# KiCad board DIP8breakout+potToUSB.kicad_pcb (continued)
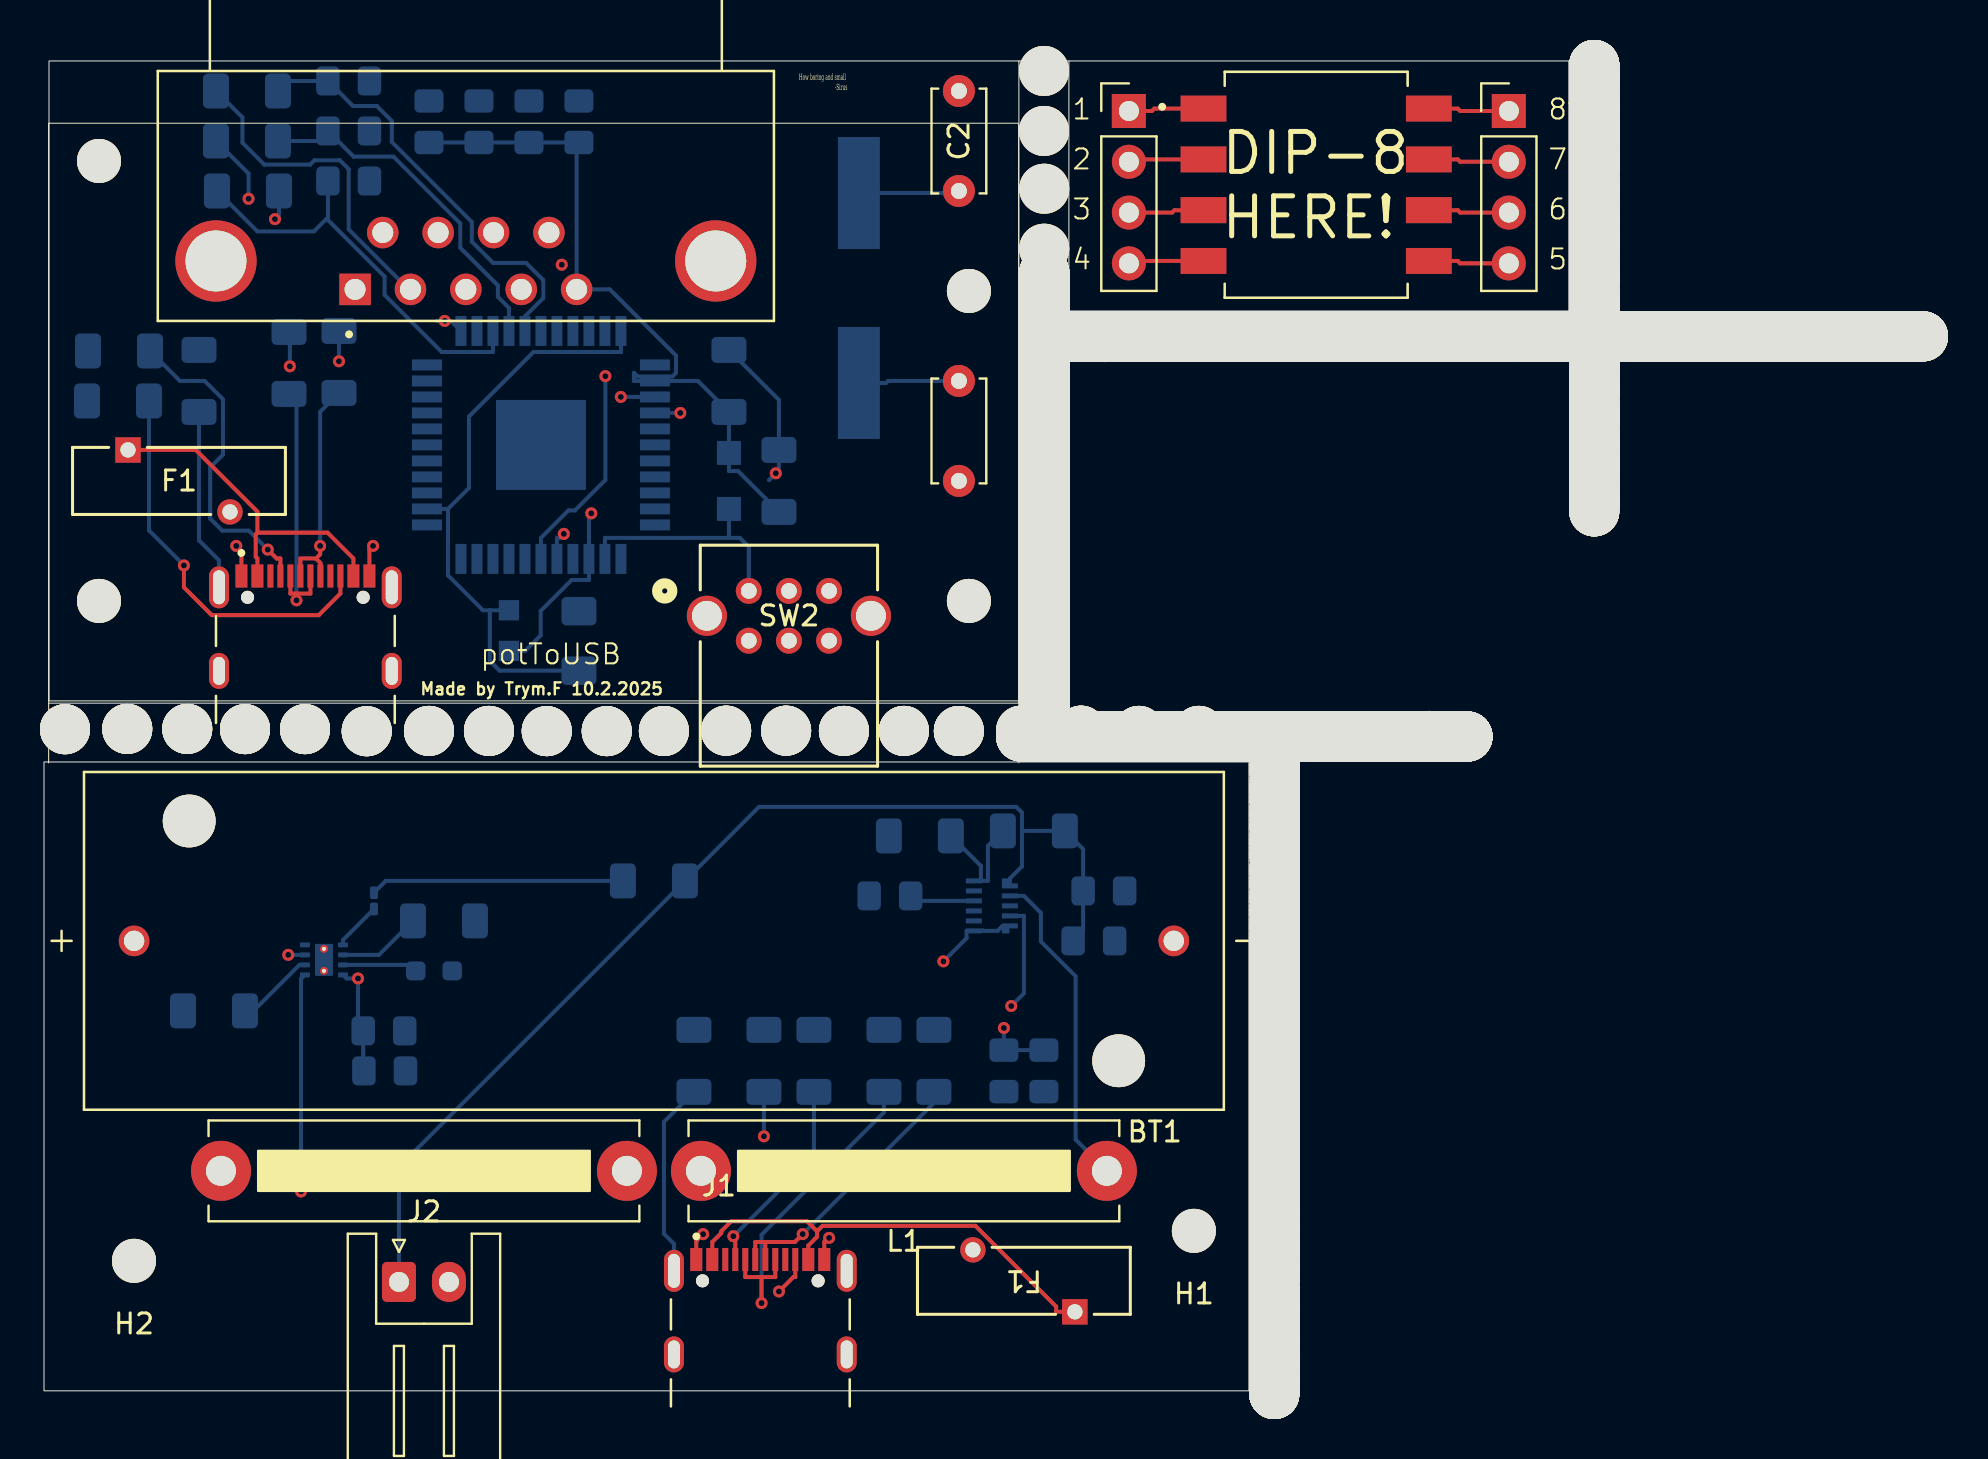
[diagram p0: board, top side]
## Placement (name value [footprint] x y rotation side) (continued)
NOREF#7692  -  [unnamed]  61.52 2.3 0 bottom
NOREF#7693  -  [unnamed]  50.02 36.55 180 bottom
NOREF#7694  -  [unnamed]  61.55 15.45 180 bottom
NOREF#7695  -  [unnamed]  87.26 52.73 270 bottom
NOREF#7696  -  [unnamed]  61.55 14.63 180 bottom
NOREF#7697  -  [unnamed]  68.92 32.72 90 bottom
NOREF#7698  -  [unnamed]  50.02 44.25 180 bottom
NOREF#7699  -  [unnamed]  56.34 52.73 270 bottom
NOREF#7700  -  [unnamed]  90.8 52.73 270 bottom
NOREF#7701  -  [unnamed]  61.55 10.21 180 bottom
NOREF#7702  -  [unnamed]  49.06 32.72 90 bottom
NOREF#7703  -  [unnamed]  77.68 52.73 270 bottom
NOREF#7704  -  [unnamed]  61.52 20.16 0 bottom
NOREF#7705  -  [unnamed]  61.52 16.52 0 bottom
NOREF#7706  -  [unnamed]  67.6 52.73 270 bottom
NOREF#7707  -  [unnamed]  67.56 32.72 90 bottom
NOREF#7708  -  [unnamed]  68.42 32.72 90 bottom
NOREF#7709  -  [unnamed]  61.55 24.03 180 bottom
NOREF#7710  -  [unnamed]  61.52 14.52 0 bottom
NOREF#7711  -  [unnamed]  61.55 18.41 180 bottom
NOREF#7712  -  [unnamed]  77.52 48.34 180 bottom
NOREF#7713  -  [unnamed]  61.52 14.72 0 bottom
NOREF#7714  -  [unnamed]  77.52 56.64 180 bottom
NOREF#7715  -  [unnamed]  63.98 52.73 270 bottom
NOREF#7716  -  [unnamed]  70.98 52.73 270 bottom
NOREF#7717  -  [unnamed]  50.02 35.39 180 bottom
NOREF#7718  -  [unnamed]  61.55 16.85 180 bottom
NOREF#7719  -  [unnamed]  74.1 52.73 270 bottom
NOREF#7720  -  [unnamed]  61.52 0.04 0 bottom
NOREF#7721  -  [unnamed]  80.64 52.73 270 bottom
NOREF#7722  -  [unnamed]  77.52 57.04 180 bottom
NOREF#7723  -  [unnamed]  50.02 42.59 180 bottom
NOREF#7724  -  [unnamed]  61.52 13.56 0 bottom
NOREF#7725  -  [unnamed]  79.08 52.73 270 bottom
NOREF#7726  -  [unnamed]  50.02 54.11 180 bottom
NOREF#7727  -  [unnamed]  50.02 40.63 180 bottom
NOREF#7728  -  [unnamed]  65.34 52.73 270 bottom
NOREF#7729  -  [unnamed]  61.52 1.84 0 bottom
NOREF#7730  -  [unnamed]  61.55 27.57 180 bottom
NOREF#7731  -  [unnamed]  86.32 52.73 270 bottom
NOREF#7732  -  [unnamed]  61.55 16.11 180 bottom
NOREF#7733  -  [unnamed]  52.88 32.72 90 bottom
NOREF#7734  -  [unnamed]  61.52 2.8 0 bottom
NOREF#7735  -  [unnamed]  63.98 52.73 270 bottom
NOREF#7736  -  [unnamed]  50.02 47.11 180 bottom
NOREF#7737  -  [unnamed]  77.52 58.86 180 bottom
NOREF#7738  -  [unnamed]  61.52 15.66 0 bottom
NOREF#7739  -  [unnamed]  77.52 52.58 180 bottom
NOREF#7740  -  [unnamed]  61.55 11.67 180 bottom
NOREF#7741  -  [unnamed]  51.12 52.73 270 bottom
NOREF#7742  -  [unnamed]  50.02 49.87 180 bottom
NOREF#7743  -  [unnamed]  61.52 20.56 0 bottom
NOREF#7744  -  [unnamed]  83.3 52.73 270 bottom
NOREF#7745  -  [unnamed]  77.52 63.84 180 bottom
NOREF#7746  -  [unnamed]  61.55 21.07 180 bottom
NOREF#7747  -  [unnamed]  54.08 52.73 270 bottom
NOREF#7748  -  [unnamed]  57.92 32.72 90 bottom
NOREF#7749  -  [unnamed]  61.55 30.33 180 bottom
NOREF#7750  -  [unnamed]  77.52 51.88 180 bottom
NOREF#7751  -  [unnamed]  63.24 52.73 270 bottom
NOREF#7752  -  [unnamed]  61.55 18.21 180 bottom
NOREF#7753  -  [unnamed]  77.68 52.73 270 bottom
NOREF#7754  -  [unnamed]  50.02 51.35 180 bottom
NOREF#7755  -  [unnamed]  77.52 64.04 180 bottom
NOREF#7756  -  [unnamed]  77.52 45.38 180 bottom
NOREF#7757  -  [unnamed]  77.52 65.24 180 bottom
NOREF#7758  -  [unnamed]  50.02 54.65 180 bottom
NOREF#7759  -  [unnamed]  56.96 52.73 270 bottom
NOREF#7760  -  [unnamed]  90.54 52.73 270 bottom
NOREF#7761  -  [unnamed]  61.52 52.73 270 bottom
NOREF#7762  -  [unnamed]  54.9 32.72 90 bottom
NOREF#7763  -  [unnamed]  61.52 8.84 0 bottom
NOREF#7764  -  [unnamed]  77.68 52.73 270 bottom
NOREF#7765  -  [unnamed]  77.52 54.84 180 bottom
NOREF#7766  -  [unnamed]  68.42 52.73 270 bottom
NOREF#7767  -  [unnamed]  77.52 48.8 180 bottom
NOREF#7768  -  [unnamed]  61.52 13.1 0 bottom
NOREF#7769  -  [unnamed]  61.52 19 0 bottom
NOREF#7770  -  [unnamed]  77.52 47.14 180 bottom
NOREF#7771  -  [unnamed]  92.9 52.73 270 bottom
NOREF#7772  -  [unnamed]  61.52 17.8 0 bottom
NOREF#7773  -  [unnamed]  70.28 52.73 270 bottom
NOREF#7774  -  [unnamed]  84.3 52.73 270 bottom
NOREF#7775  -  [unnamed]  50.02 53.45 180 bottom
NOREF#7776  -  [unnamed]  50.02 47.31 180 bottom
NOREF#7777  -  [unnamed]  50.66 32.72 90 bottom
NOREF#7778  -  [unnamed]  61.52 2.1 0 bottom
NOREF#7779  -  [unnamed]  77.52 63.34 180 bottom
NOREF#7780  -  [unnamed]  57.42 52.73 270 bottom
NOREF#7781  -  [unnamed]  61.55 20.27 180 bottom
NOREF#7782  -  [unnamed]  65.76 32.72 90 bottom
NOREF#7783  -  [unnamed]  50.02 37.41 180 bottom
NOREF#7784  -  [unnamed]  50.02 48.01 180 bottom
NOREF#7785  -  [unnamed]  67.82 32.72 90 bottom
NOREF#7786  -  [unnamed]  61.55 25.43 180 bottom
NOREF#7787  -  [unnamed]  50.02 53.45 180 bottom
NOREF#7788  -  [unnamed]  50.02 43.59 180 bottom
NOREF#7789  -  [unnamed]  77.52 45.78 180 bottom
NOREF#7790  -  [unnamed]  77.52 46.44 180 bottom
NOREF#7791  -  [unnamed]  61.55 24.03 180 bottom
NOREF#7792  -  [unnamed]  72.04 52.73 270 bottom
NOREF#7793  -  [unnamed]  61.55 19.81 180 bottom
NOREF#7794  -  [unnamed]  77.52 50.48 180 bottom
NOREF#7795  -  [unnamed]  63.64 52.73 270 bottom
NOREF#7796  -  [unnamed]  70.98 52.73 270 bottom
NOREF#7797  -  [unnamed]  75.46 52.73 270 bottom
NOREF#7798  -  [unnamed]  61.72 32.72 90 bottom
NOREF#7799  -  [unnamed]  49.72 32.72 90 bottom
NOREF#7800  -  [unnamed]  52.72 52.73 270 bottom
NOREF#7801  -  [unnamed]  82.3 52.73 270 bottom
NOREF#7802  -  [unnamed]  61.52 13.36 0 bottom
NOREF#7803  -  [unnamed]  66.82 32.72 90 bottom
NOREF#7804  -  [unnamed]  78.34 52.73 270 bottom
NOREF#7805  -  [unnamed]  87.72 52.73 270 bottom
NOREF#7806  -  [unnamed]  50.02 55.31 180 bottom
NOREF#7807  -  [unnamed]  90.8 52.73 270 bottom
NOREF#7808  -  [unnamed]  61.55 17.51 180 bottom
NOREF#7809  -  [unnamed]  61.55 20.47 180 bottom
NOREF#7810  -  [unnamed]  61.55 21.73 180 bottom
NOREF#7811  -  [unnamed]  61.12 52.73 270 bottom
NOREF#7812  -  [unnamed]  77.52 46.04 180 bottom
NOREF#7813  -  [unnamed]  71.84 52.73 270 bottom
NOREF#7814  -  [unnamed]  55.36 32.72 90 bottom
NOREF#7815  -  [unnamed]  61.55 14.63 180 bottom
NOREF#7816  -  [unnamed]  61.52 11.96 0 bottom
NOREF#7817  -  [unnamed]  77.52 57.7 180 bottom
NOREF#7818  -  [unnamed]  77.52 62.68 180 bottom
NOREF#7819  -  [unnamed]  77.52 44.84 180 bottom
NOREF#7820  -  [unnamed]  59.52 52.73 270 bottom
NOREF#7821  -  [unnamed]  88.94 52.73 270 bottom
NOREF#7822  -  [unnamed]  68.62 52.73 270 bottom
NOREF#7823  -  [unnamed]  76 52.73 270 bottom
NOREF#7824  -  [unnamed]  61.52 13.16 0 bottom
NOREF#7825  -  [unnamed]  87.06 52.73 270 bottom
NOREF#7826  -  [unnamed]  61.55 23.33 180 bottom
NOREF#7827  -  [unnamed]  61.52 18.34 0 bottom
NOREF#7828  -  [unnamed]  58.16 52.73 270 bottom
NOREF#7829  -  [unnamed]  50.46 32.72 90 bottom
NOREF#7830  -  [unnamed]  61.52 10.3 0 bottom
NOREF#7831  -  [unnamed]  77.52 61.08 180 bottom
NOREF#7832  -  [unnamed]  54.74 52.73 270 bottom
NOREF#7833  -  [unnamed]  77.52 53.24 180 bottom
NOREF#7834  -  [unnamed]  51.82 32.72 90 bottom
NOREF#7835  -  [unnamed]  69.08 52.73 270 bottom
NOREF#7836  -  [unnamed]  50.02 50.27 180 bottom
NOREF#7837  -  [unnamed]  61.32 52.73 270 bottom
NOREF#7838  -  [unnamed]  61.55 23.33 180 bottom
NOREF#7839  -  [unnamed]  61.55 19.61 180 bottom
NOREF#7840  -  [unnamed]  53.42 32.72 90 bottom
NOREF#7841  -  [unnamed]  52.22 32.72 90 bottom
NOREF#7842  -  [unnamed]  75.46 52.73 270 bottom
NOREF#7843  -  [unnamed]  79.74 52.73 270 bottom
NOREF#7844  -  [unnamed]  66.2 52.73 270 bottom
NOREF#7845  -  [unnamed]  61.52 21.56 0 bottom
NOREF#7846  -  [unnamed]  61.52 7.08 0 bottom
NOREF#7847  -  [unnamed]  63.24 52.73 270 bottom
NOREF#7848  -  [unnamed]  84.16 52.73 270 bottom
NOREF#7849  -  [unnamed]  61.52 12.16 0 bottom
NOREF#7850  -  [unnamed]  61.52 4.4 0 bottom
NOREF#7851  -  [unnamed]  83.76 52.73 270 bottom
NOREF#7852  -  [unnamed]  93.76 52.73 270 bottom
NOREF#7853  -  [unnamed]  61.55 24.89 180 bottom
NOREF#7854  -  [unnamed]  61.55 14.83 180 bottom
NOREF#7855  -  [unnamed]  13.05 33.09 90 bottom
NOREF#7856  -  [unnamed]  49.06 32.72 90 bottom
NOREF#7857  -  [unnamed]  61.52 21.1 0 bottom
NOREF#7858  -  [unnamed]  79.28 52.73 270 bottom
NOREF#7859  -  [unnamed]  57.16 52.73 270 bottom
NOREF#7860  -  [unnamed]  77.52 47.6 180 bottom
NOREF#7861  -  [unnamed]  57.82 52.73 270 bottom
NOREF#7862  -  [unnamed]  50.02 44.05 180 bottom
NOREF#7863  -  [unnamed]  61.58 52.73 270 bottom
NOREF#7864  -  [unnamed]  61.55 18.67 180 bottom
NOREF#7865  -  [unnamed]  61.55 28.31 180 bottom
NOREF#7866  -  [unnamed]  49.92 32.72 90 bottom
NOREF#7867  -  [unnamed]  77.52 61.28 180 bottom
NOREF#7868  -  [unnamed]  59.52 32.72 90 bottom
NOREF#7869  -  [unnamed]  77.52 64.7 180 bottom
NOREF#7870  -  [unnamed]  61.52 4.2 0 bottom
NOREF#7871  -  [unnamed]  53.88 52.73 270 bottom
NOREF#7872  -  [unnamed]  61.55 27.17 180 bottom
NOREF#7873  -  [unnamed]  77.52 50.02 180 bottom
NOREF#7874  -  [unnamed]  61.12 52.73 270 bottom
NOREF#7875  -  [unnamed]  61.55 18.21 180 bottom
NOREF#7876  -  [unnamed]  61.52 8.44 0 bottom
NOREF#7877  -  [unnamed]  61.52 19.7 0 bottom
NOREF#7878  -  [unnamed]  50.02 43.79 180 bottom
NOREF#7879  -  [unnamed]  77.52 44.84 180 bottom
NOREF#7880  -  [unnamed]  61.55 29.27 180 bottom
NOREF#7881  -  [unnamed]  61.18 32.72 90 bottom
NOREF#7882  -  [unnamed]  50.02 46.45 180 bottom
NOREF#7883  -  [unnamed]  50.02 46.65 180 bottom
NOREF#7884  -  [unnamed]  77.52 58.4 180 bottom
NOREF#7885  -  [unnamed]  61.52 14.06 0 bottom
NOREF#7886  -  [unnamed]  49.46 32.72 90 bottom
NOREF#7887  -  [unnamed]  59.72 52.73 270 bottom
NOREF#7888  -  [unnamed]  50.66 32.72 90 bottom
NOREF#7889  -  [unnamed]  79.34 52.73 270 bottom
NOREF#7890  -  [unnamed]  77.52 49.62 180 bottom
NOREF#7891  -  [unnamed]  61.55 19.61 180 bottom
NOREF#7892  -  [unnamed]  81.3 52.73 270 bottom
NOREF#7893  -  [unnamed]  50.02 45.45 180 bottom
NOREF#7894  -  [unnamed]  56.1 32.72 90 bottom
NOREF#7895  -  [unnamed]  50.02 36.05 180 bottom
NOREF#7896  -  [unnamed]  50.02 55.05 180 bottom
NOREF#7897  -  [unnamed]  83.1 52.73 270 bottom
NOREF#7898  -  [unnamed]  77.52 55.04 180 bottom
NOREF#7899  -  [unnamed]  61.55 29.47 180 bottom
NOREF#7900  -  [unnamed]  61.52 21.3 0 bottom
NOREF#7901  -  [unnamed]  59.72 52.73 270 bottom
NOREF#7902  -  [unnamed]  72.58 52.73 270 bottom
NOREF#7903  -  [unnamed]  61.52 10.5 0 bottom
NOREF#7904  -  [unnamed]  61.55 30.67 180 bottom
NOREF#7905  -  [unnamed]  77.52 64.3 180 bottom
NOREF#7906  -  [unnamed]  77.52 61.08 180 bottom
NOREF#7907  -  [unnamed]  77.52 57.7 180 bottom
NOREF#7908  -  [unnamed]  82.1 52.73 270 bottom
NOREF#7909  -  [unnamed]  50.02 40.29 180 bottom
NOREF#7910  -  [unnamed]  81.84 52.73 270 bottom
NOREF#7911  -  [unnamed]  70.58 32.72 90 bottom
NOREF#7912  -  [unnamed]  73.44 52.73 270 bottom
NOREF#7913  -  [unnamed]  61.52 5.06 0 bottom
NOREF#7914  -  [unnamed]  90.34 52.73 270 bottom
NOREF#7915  -  [unnamed]  77.52 54.64 180 bottom
NOREF#7916  -  [unnamed]  67.6 52.73 270 bottom
NOREF#7917  -  [unnamed]  50.02 39.43 180 bottom
NOREF#7918  -  [unnamed]  61.52 10.9 0 bottom
NOREF#7919  -  [unnamed]  77.52 45.04 180 bottom
NOREF#7920  -  [unnamed]  50.02 39.01 180 bottom
NOREF#7921  -  [unnamed]  58.32 32.72 90 bottom
NOREF#7922  -  [unnamed]  87.46 52.73 270 bottom
NOREF#7923  -  [unnamed]  61.52 6.88 0 bottom
NOREF#7924  -  [unnamed]  61.55 10.47 180 bottom
NOREF#7925  -  [unnamed]  92.16 52.73 270 bottom
NOREF#7926  -  [unnamed]  50.02 43.79 180 bottom
NOREF#7927  -  [unnamed]  77.52 47.8 180 bottom
NOREF#7928  -  [unnamed]  61.55 21.93 180 bottom
NOREF#7929  -  [unnamed]  61.52 11.5 0 bottom
NOREF#7930  -  [unnamed]  50.02 51.55 180 bottom
NOREF#7931  -  [unnamed]  61.55 18.87 180 bottom
NOREF#7932  -  [unnamed]  70.08 52.73 270 bottom
NOREF#7933  -  [unnamed]  61.52 14.72 0 bottom
NOREF#7934  -  [unnamed]  82.3 52.73 270 bottom
NOREF#7935  -  [unnamed]  61.55 30.13 180 bottom
NOREF#7936  -  [unnamed]  50.02 41.49 180 bottom
NOREF#7937  -  [unnamed]  77.52 53.98 180 bottom
NOREF#7938  -  [unnamed]  50.02 48.47 180 bottom
NOREF#7939  -  [unnamed]  74.8 52.73 270 bottom
NOREF#7940  -  [unnamed]  61.52 -0.16 0 bottom
NOREF#7941  -  [unnamed]  55.68 52.73 270 bottom
NOREF#7942  -  [unnamed]  51.82 32.72 90 bottom
NOREF#7943  -  [unnamed]  50.02 52.75 180 bottom
NOREF#7944  -  [unnamed]  50.02 55.05 180 bottom
NOREF#7945  -  [unnamed]  65.34 32.72 90 bottom
NOREF#7946  -  [unnamed]  61.55 24.49 180 bottom
NOREF#7947  -  [unnamed]  65.34 52.73 270 bottom
NOREF#7948  -  [unnamed]  51.78 52.73 270 bottom
NOREF#7949  -  [unnamed]  66.62 32.72 90 bottom
NOREF#7950  -  [unnamed]  68.72 32.72 90 bottom
NOREF#7951  -  [unnamed]  76 52.73 270 bottom
NOREF#7952  -  [unnamed]  50.02 46.11 180 bottom
NOREF#7953  -  [unnamed]  54.7 32.72 90 bottom
NOREF#7954  -  [unnamed]  61.52 0.9 0 bottom
NOREF#7955  -  [unnamed]  61.55 26.71 180 bottom
NOREF#7956  -  [unnamed]  78.88 52.73 270 bottom
NOREF#7957  -  [unnamed]  73.24 52.73 270 bottom
NOREF#7958  -  [unnamed]  61.92 32.72 90 bottom
NOREF#7959  -  [unnamed]  61.52 20.56 0 bottom
NOREF#7960  -  [unnamed]  77.52 57.04 180 bottom
NOREF#7961  -  [unnamed]  50.02 53.65 180 bottom
NOREF#7962  -  [unnamed]  50.02 49.41 180 bottom
NOREF#7963  -  [unnamed]  61.52 3.2 0 bottom
NOREF#7964  -  [unnamed]  58.52 32.72 90 bottom
NOREF#7965  -  [unnamed]  61.52 2.5 0 bottom
NOREF#7966  -  [unnamed]  91.7 52.73 270 bottom
NOREF#7967  -  [unnamed]  61.55 18.61 180 bottom
NOREF#7968  -  [unnamed]  77.52 56.84 180 bottom
NOREF#7969  -  [unnamed]  50.02 48.01 180 bottom
NOREF#7970  -  [unnamed]  63.44 52.73 270 bottom
NOREF#7971  -  [unnamed]  61.52 19.9 0 bottom
NOREF#7972  -  [unnamed]  65.74 52.73 270 bottom
NOREF#7973  -  [unnamed]  59.22 52.73 270 bottom
NOREF#7974  -  [unnamed]  61.52 18.8 0 bottom
NOREF#7975  -  [unnamed]  61.55 28.97 180 bottom
NOREF#7976  -  [unnamed]  61.55 13.23 180 bottom
NOREF#7977  -  [unnamed]  50.02 35.85 180 bottom
NOREF#7978  -  [unnamed]  77.52 65.44 180 bottom
NOREF#7979  -  [unnamed]  81.44 52.73 270 bottom
NOREF#7980  -  [unnamed]  93.1 52.73 270 bottom
NOREF#7981  -  [unnamed]  61.52 14.92 0 bottom
NOREF#7982  -  [unnamed]  77.52 62.14 180 bottom
NOREF#7983  -  [unnamed]  79.74 52.73 270 bottom
NOREF#7984  -  [unnamed]  77.52 47.6 180 bottom
NOREF#7985  -  [unnamed]  77.52 65.7 180 bottom
NOREF#7986  -  [unnamed]  77.52 58.4 180 bottom
NOREF#7987  -  [unnamed]  50.02 45.71 180 bottom
NOREF#7988  -  [unnamed]  50.02 45.05 180 bottom
NOREF#7989  -  [unnamed]  68.22 32.72 90 bottom
NOREF#7990  -  [unnamed]  50.02 42.19 180 bottom
NOREF#7991  -  [unnamed]  61.52 3.46 0 bottom
NOREF#7992  -  [unnamed]  68.42 52.73 270 bottom
NOREF#7993  -  [unnamed]  57.16 32.72 90 bottom
NOREF#7994  -  [unnamed]  61.52 13.56 0 bottom
NOREF#7995  -  [unnamed]  77.52 48.54 180 bottom
NOREF#7996  -  [unnamed]  92.36 52.73 270 bottom
NOREF#7997  -  [unnamed]  65.96 32.72 90 bottom
NOREF#7998  -  [unnamed]  70.78 52.73 270 bottom
NOREF#7999  -  [unnamed]  50.02 51.89 180 bottom
NOREF#8000  -  [unnamed]  58.66 32.72 90 bottom
NOREF#8001  -  [unnamed]  56.34 52.73 270 bottom
NOREF#8002  -  [unnamed]  90.34 52.73 270 bottom
NOREF#8003  -  [unnamed]  50.02 45.71 180 bottom
NOREF#8004  -  [unnamed]  61.55 14.17 180 bottom
NOREF#8005  -  [unnamed]  56.14 52.73 270 bottom
NOREF#8006  -  [unnamed]  75.06 52.73 270 bottom
NOREF#8007  -  [unnamed]  54.08 32.72 90 bottom
NOREF#8008  -  [unnamed]  54.75 33 90 bottom
NOREF#8009  -  [unnamed]  50.02 54.11 180 bottom
NOREF#8010  -  [unnamed]  61.55 29.93 180 bottom
NOREF#8011  -  [unnamed]  77.52 46.44 180 bottom
NOREF#8012  -  [unnamed]  50.02 51.15 180 bottom
NOREF#8013  -  [unnamed]  61.52 0.44 0 bottom
NOREF#8014  -  [unnamed]  50.02 52.09 180 bottom
NOREF#8015  -  [unnamed]  63.28 32.72 90 bottom
NOREF#8016  -  [unnamed]  87.46 52.73 270 bottom
NOREF#8017  -  [unnamed]  59.02 52.73 270 bottom
NOREF#8018  -  [unnamed]  61.32 52.73 270 bottom
NOREF#8019  -  [unnamed]  73.04 52.73 270 bottom
NOREF#8020  -  [unnamed]  69.62 52.73 270 bottom
NOREF#8021  -  [unnamed]  84.96 52.73 270 bottom
NOREF#8022  -  [unnamed]  59.02 52.73 270 bottom
NOREF#8023  -  [unnamed]  61.52 7.94 0 bottom
NOREF#8024  -  [unnamed]  61.52 5.26 0 bottom
NOREF#8025  -  [unnamed]  62.12 32.72 90 bottom
NOREF#8026  -  [unnamed]  61.52 21.76 0 bottom
NOREF#8027  -  [unnamed]  61.52 21.5 0 bottom
NOREF#8028  -  [unnamed]  61.52 18.34 0 bottom
NOREF#8029  -  [unnamed]  61.55 27.11 180 bottom
NOREF#8030  -  [unnamed]  62.58 52.73 270 bottom
NOREF#8031  -  [unnamed]  77.52 51.22 180 bottom
NOREF#8032  -  [unnamed]  50.02 36.95 180 bottom
NOREF#8033  -  [unnamed]  80.24 52.73 270 bottom
NOREF#8034  -  [unnamed]  61.55 25.89 180 bottom
NOREF#8035  -  [unnamed]  61.55 25.43 180 bottom
NOREF#8036  -  [unnamed]  80.04 52.73 270 bottom
NOREF#8037  -  [unnamed]  77.52 60.26 180 bottom
NOREF#8038  -  [unnamed]  77.52 50.02 180 bottom
NOREF#8039  -  [unnamed]  61.55 27.57 180 bottom
NOREF#8040  -  [unnamed]  61.52 18 0 bottom
NOREF#8041  -  [unnamed]  61.52 11.1 0 bottom
NOREF#8042  -  [unnamed]  61.52 8.14 0 bottom
NOREF#8043  -  [unnamed]  50.02 44.65 180 bottom
NOREF#8044  -  [unnamed]  93.76 52.73 270 bottom
NOREF#8045  -  [unnamed]  61.55 28.31 180 bottom
NOREF#8046  -  [unnamed]  56.3 32.72 90 bottom
NOREF#8047  -  [unnamed]  64.68 32.72 90 bottom
NOREF#8048  -  [unnamed]  53.58 52.73 270 bottom
NOREF#8049  -  [unnamed]  61.55 13.43 180 bottom
NOREF#8050  -  [unnamed]  50.02 42.85 180 bottom
NOREF#8051  -  [unnamed]  90.8 52.73 270 bottom
NOREF#8052  -  [unnamed]  61.55 13.97 180 bottom
NOREF#8053  -  [unnamed]  65.96 32.72 90 bottom
NOREF#8054  -  [unnamed]  61.52 21.96 0 bottom
NOREF#8055  -  [unnamed]  61.52 17.6 0 bottom
NOREF#8056  -  [unnamed]  58.86 32.72 90 bottom
NOREF#8057  -  [unnamed]  56.54 52.73 270 bottom
NOREF#8058  -  [unnamed]  50.02 37.61 180 bottom
NOREF#8059  -  [unnamed]  54.9 32.72 90 bottom
NOREF#8060  -  [unnamed]  77.52 61.74 180 bottom
NOREF#8061  -  [unnamed]  91.5 52.73 270 bottom
NOREF#8062  -  [unnamed]  61.55 15.45 180 bottom
NOREF#8063  -  [unnamed]  61.52 9.3 0 bottom
NOREF#8064  -  [unnamed]  77.52 66.3 180 bottom
NOREF#8065  -  [unnamed]  65.14 32.72 90 bottom
NOREF#8066  -  [unnamed]  61.55 17.31 180 bottom
NOREF#8067  -  [unnamed]  61.55 21.53 180 bottom
NOREF#8068  -  [unnamed]  66.2 52.73 270 bottom
NOREF#8069  -  [unnamed]  77.52 59.06 180 bottom
NOREF#8070  -  [unnamed]  50.02 52.29 180 bottom
NOREF#8071  -  [unnamed]  55.36 32.72 90 bottom
NOREF#8072  -  [unnamed]  72.7 52.73 270 bottom
NOREF#8073  -  [unnamed]  61.52 7.54 0 bottom
NOREF#8074  -  [unnamed]  77.52 56.3 180 bottom
NOREF#8075  -  [unnamed]  61.55 10.67 180 bottom
NOREF#8076  -  [unnamed]  77.52 46.94 180 bottom
NOREF#8077  -  [unnamed]  74.3 52.73 270 bottom
NOREF#8078  -  [unnamed]  91.5 52.73 270 bottom
NOREF#8079  -  [unnamed]  77.52 49.2 180 bottom
NOREF#8080  -  [unnamed]  51.32 52.73 270 bottom
NOREF#8081  -  [unnamed]  61.52 2.8 0 bottom
NOREF#8082  -  [unnamed]  68.22 52.73 270 bottom
NOREF#8083  -  [unnamed]  76.86 52.73 270 bottom
NOREF#8084  -  [unnamed]  61.52 9.64 0 bottom
NOREF#8085  -  [unnamed]  61.52 19.2 0 bottom
NOREF#8086  -  [unnamed]  77.52 58.86 180 bottom
NOREF#8087  -  [unnamed]  51.72 52.73 270 bottom
NOREF#8088  -  [unnamed]  89.4 52.73 270 bottom
NOREF#8089  -  [unnamed]  69.38 32.72 90 bottom
NOREF#8090  -  [unnamed]  69.82 52.73 270 bottom
NOREF#8091  -  [unnamed]  50.02 45.25 180 bottom
NOREF#8092  -  [unnamed]  61.52 18.54 0 bottom
NOREF#8093  -  [unnamed]  72.18 52.73 270 bottom
NOREF#8094  -  [unnamed]  61.55 20.01 180 bottom
NOREF#8095  -  [unnamed]  77.52 65.64 180 bottom
NOREF#8096  -  [unnamed]  66.82 32.72 90 bottom
NOREF#8097  -  [unnamed]  77.52 47.4 180 bottom
NOREF#8098  -  [unnamed]  61.55 10.01 180 bottom
NOREF#8099  -  [unnamed]  64.64 52.73 270 bottom
NOREF#8100  -  [unnamed]  50.02 51.09 180 bottom
NOREF#8101  -  [unnamed]  61.52 7.28 0 bottom
NOREF#8102  -  [unnamed]  50.02 34.19 180 bottom
NOREF#8103  -  [unnamed]  61.55 23.13 180 bottom
NOREF#8104  -  [unnamed]  93.1 52.73 270 bottom
NOREF#8105  -  [unnamed]  83.3 52.73 270 bottom
NOREF#8106  -  [unnamed]  69.42 52.73 270 bottom
NOREF#8107  -  [unnamed]  61.52 5.68 0 bottom
NOREF#8108  -  [unnamed]  79.54 52.73 270 bottom
NOREF#8109  -  [unnamed]  61.52 20.9 0 bottom
NOREF#8110  -  [unnamed]  77.52 54.84 180 bottom
NOREF#8111  -  [unnamed]  57.86 32.72 90 bottom
NOREF#8112  -  [unnamed]  50.02 34.45 180 bottom
NOREF#8113  -  [unnamed]  74.6 52.73 270 bottom
NOREF#8114  -  [unnamed]  77.52 54.18 180 bottom
NOREF#8115  -  [unnamed]  50.02 38.15 180 bottom
NOREF#8116  -  [unnamed]  77.48 52.73 270 bottom
NOREF#8117  -  [unnamed]  67.76 32.72 90 bottom
NOREF#8118  -  [unnamed]  61.92 32.72 90 bottom
NOREF#8119  -  [unnamed]  77.52 53.64 180 bottom
NOREF#8120  -  [unnamed]  50.02 48.87 180 bottom
NOREF#8121  -  [unnamed]  57.82 52.73 270 bottom
NOREF#8122  -  [unnamed]  51.32 32.72 90 bottom
NOREF#8123  -  [unnamed]  51.52 52.73 270 bottom
NOREF#8124  -  [unnamed]  72.7 52.73 270 bottom
NOREF#8125  -  [unnamed]  61.55 16.31 180 bottom
NOREF#8126  -  [unnamed]  50.02 49.41 180 bottom
NOREF#8127  -  [unnamed]  72.78 52.73 270 bottom
NOREF#8128  -  [unnamed]  52.02 32.72 90 bottom
NOREF#8129  -  [unnamed]  77.52 57.24 180 bottom
NOREF#8130  -  [unnamed]  74.8 52.73 270 bottom
NOREF#8131  -  [unnamed]  61.52 20.56 0 bottom
NOREF#8132  -  [unnamed]  61.55 20.07 180 bottom
NOREF#8133  -  [unnamed]  10.05 33.09 90 bottom
NOREF#8134  -  [unnamed]  50.02 55.51 180 bottom
NOREF#8135  -  [unnamed]  50.02 45.05 180 bottom
NOREF#8136  -  [unnamed]  92.16 52.73 270 bottom
NOREF#8137  -  [unnamed]  61.55 31.07 180 bottom
NOREF#8138  -  [unnamed]  72.58 52.73 270 bottom
NOREF#8139  -  [unnamed]  81.64 52.73 270 bottom
NOREF#8140  -  [unnamed]  53.88 32.72 90 bottom
NOREF#8141  -  [unnamed]  77.52 53.98 180 bottom
NOREF#8142  -  [unnamed]  50.02 33.79 180 bottom
NOREF#8143  -  [unnamed]  59.02 52.73 270 bottom
NOREF#8144  -  [unnamed]  61.52 10.5 0 bottom
NOREF#8145  -  [unnamed]  61.55 12.77 180 bottom
NOREF#8146  -  [unnamed]  72.5 52.73 270 bottom
NOREF#8147  -  [unnamed]  64.94 32.72 90 bottom
NOREF#8148  -  [unnamed]  67.8 52.73 270 bottom
NOREF#8149  -  [unnamed]  85.66 52.73 270 bottom
NOREF#8150  -  [unnamed]  56.3 32.72 90 bottom
NOREF#8151  -  [unnamed]  57.66 32.72 90 bottom
NOREF#8152  -  [unnamed]  50.02 38.81 180 bottom
NOREF#8153  -  [unnamed]  77.52 51.88 180 bottom
NOREF#8154  -  [unnamed]  80.9 52.73 270 bottom
NOREF#8155  -  [unnamed]  76.86 52.73 270 bottom
NOREF#8156  -  [unnamed]  61.55 20.67 180 bottom
NOREF#8157  -  [unnamed]  50.02 43.05 180 bottom
NOREF#8158  -  [unnamed]  61.52 3.26 0 bottom
NOREF#8159  -  [unnamed]  63.08 32.72 90 bottom
NOREF#8160  -  [unnamed]  61.55 26.91 180 bottom
NOREF#8161  -  [unnamed]  86.52 52.73 270 bottom
NOREF#8162  -  [unnamed]  77.52 64.9 180 bottom
NOREF#8163  -  [unnamed]  50.02 54.51 180 bottom
NOREF#8164  -  [unnamed]  70.02 52.73 270 bottom
NOREF#8165  -  [unnamed]  61.52 8.9 0 bottom
NOREF#8166  -  [unnamed]  70.12 32.72 90 bottom
NOREF#8167  -  [unnamed]  77.52 51.02 180 bottom
NOREF#8168  -  [unnamed]  50.02 48.67 180 bottom
NOREF#8169  -  [unnamed]  77.52 57.5 180 bottom
NOREF#8170  -  [unnamed]  61.55 12.37 180 bottom
NOREF#8171  -  [unnamed]  61.55 16.11 180 bottom
NOREF#8172  -  [unnamed]  74.8 52.73 270 bottom
NOREF#8173  -  [unnamed]  76.86 52.73 270 bottom
NOREF#8174  -  [unnamed]  73.24 52.73 270 bottom
NOREF#8175  -  [unnamed]  50.02 41.23 180 bottom
NOREF#8176  -  [unnamed]  69.92 32.72 90 bottom
NOREF#8177  -  [unnamed]  61.55 30.87 180 bottom
NOREF#8178  -  [unnamed]  61.55 9.81 180 bottom
NOREF#8179  -  [unnamed]  50.02 44.45 180 bottom
NOREF#8180  -  [unnamed]  61.55 31.53 180 bottom
NOREF#8181  -  [unnamed]  61.55 30.13 180 bottom
NOREF#8182  -  [unnamed]  60.92 52.73 270 bottom
NOREF#8183  -  [unnamed]  56.14 52.73 270 bottom
NOREF#8184  -  [unnamed]  50.02 45.91 180 bottom
NOREF#8185  -  [unnamed]  50.02 41.49 180 bottom
NOREF#8186  -  [unnamed]  77.52 59.06 180 bottom
NOREF#8187  -  [unnamed]  50.02 33.59 180 bottom
NOREF#8188  -  [unnamed]  7.16 33.1 90 bottom
NOREF#8189  -  [unnamed]  61.52 9.3 0 bottom
NOREF#8190  -  [unnamed]  50.02 39.23 180 bottom
NOREF#8191  -  [unnamed]  50.02 34.99 180 bottom
NOREF#8192  -  [unnamed]  77.52 60.46 180 bottom
NOREF#8193  -  [unnamed]  71.64 52.73 270 bottom
NOREF#8194  -  [unnamed]  83.56 52.73 270 bottom
NOREF#8195  -  [unnamed]  56.56 32.72 90 bottom
NOREF#8196  -  [unnamed]  50.02 35.19 180 bottom
NOREF#8197  -  [unnamed]  77.52 61.94 180 bottom
NOREF#8198  -  [unnamed]  77.88 52.73 270 bottom
NOREF#8199  -  [unnamed]  83.3 52.73 270 bottom
NOREF#8200  -  [unnamed]  50.02 36.05 180 bottom
NOREF#8201  -  [unnamed]  61.52 6.34 0 bottom
NOREF#8202  -  [unnamed]  61.18 32.72 90 bottom
NOREF#8203  -  [unnamed]  63.44 52.73 270 bottom
NOREF#8204  -  [unnamed]  80.44 52.73 270 bottom
NOREF#8205  -  [unnamed]  49.92 32.72 90 bottom
NOREF#8206  -  [unnamed]  68.72 32.72 90 bottom
NOREF#8207  -  [unnamed]  70.28 52.73 270 bottom
NOREF#8208  -  [unnamed]  77.52 47.14 180 bottom
